# Altium PCB Pleiades_Frouf.PcbDoc (part 10 of 12)
Units mil, origin at the board's own origin, x right, y up, seen from the top; angles counter-clockwise.
Board outline 12244.09 x 4515.28 mil, 12 copper layers (TOP, GND1, IN1, GND2, POW1, GND3, POW2, GND4, GND5, IN2, GND6, BOT), stack 63.546 mil thick; 1442 components, 702 nets, 4419 pads, 1756 vias.
Unrouted connection lines stored in the file: 1088.
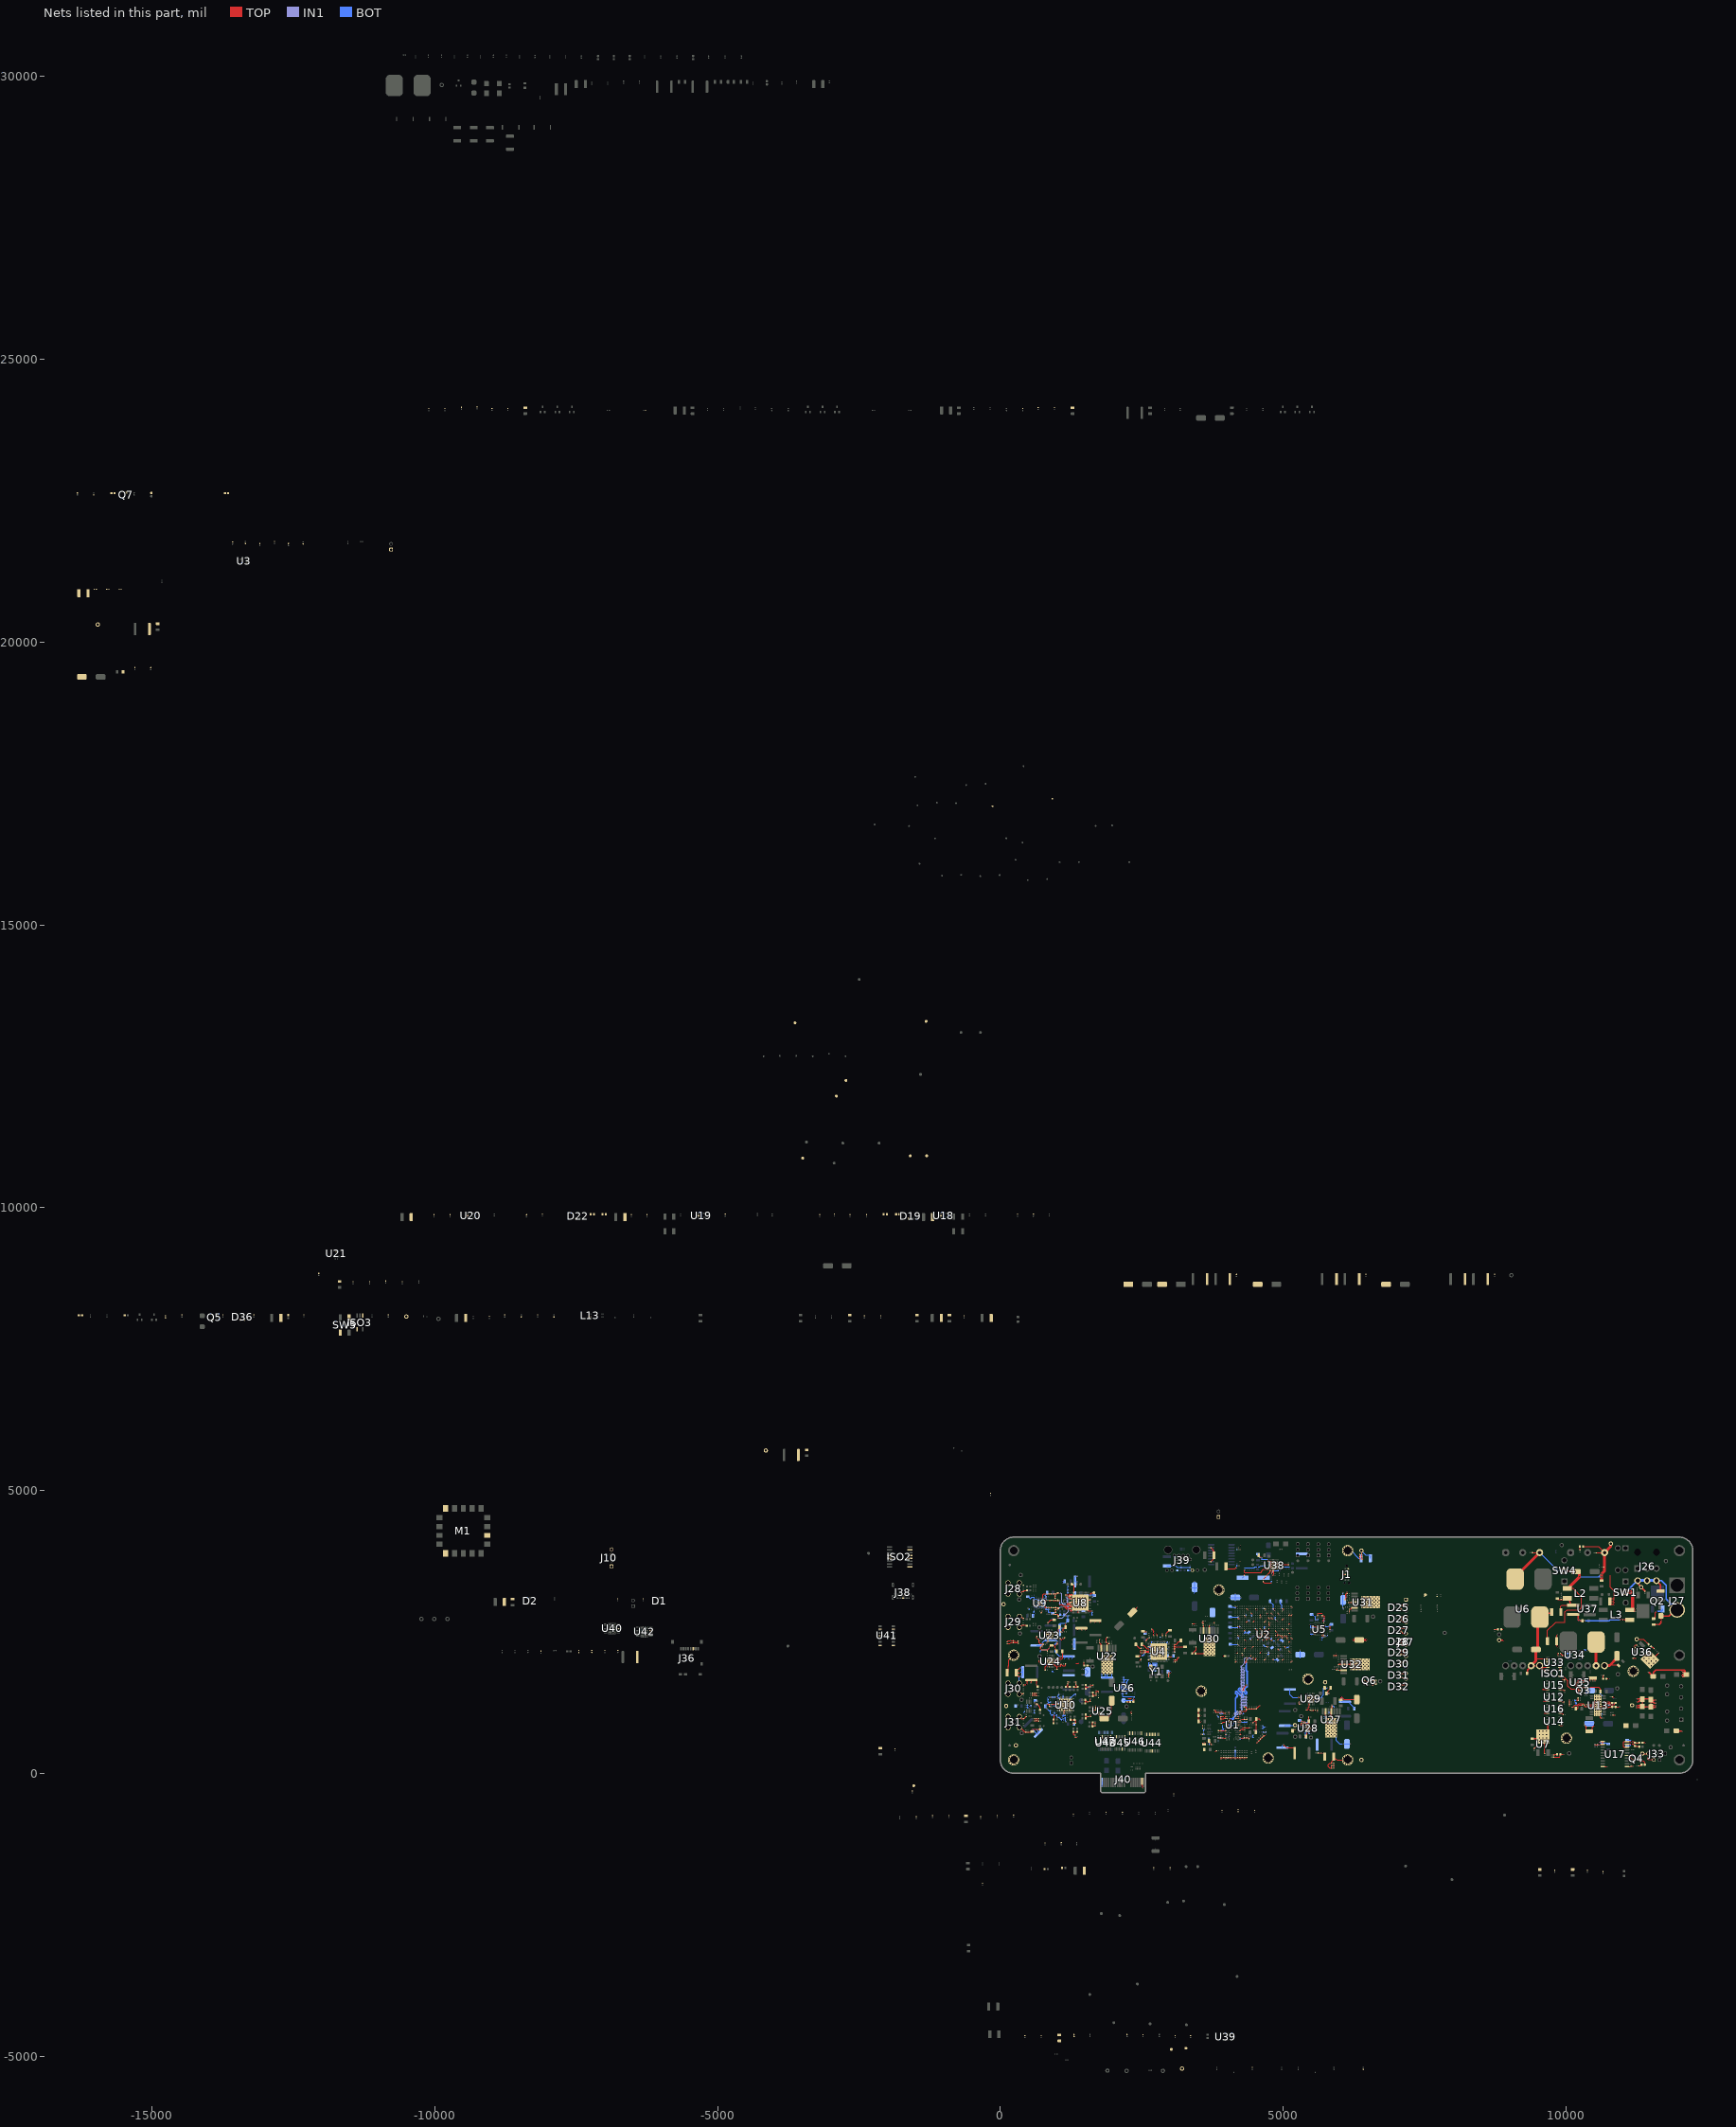
[diagram p20: the nets of this part, all layers, seen from the top]

## Via types
v1: diameter 12/18/18/18/18/18/18/18/18/18/18/12 (per signal layer), hole 6, TOP to BOT, 1113 vias
v2: diameter 20, hole 10, TOP to BOT, 363 vias
v3: diameter 19.68, hole 7.87, TOP to BOT, 110 vias
v4: diameter 25, hole 12, TOP to BOT, 67 vias
v5: diameter 40, hole 20, TOP to BOT, 48 vias
v6: diameter 22, hole 12, TOP to BOT, 27 vias
v7: diameter 12, hole 6, TOP to BOT, 19 vias
v8: diameter 19.68, hole 11.81, TOP to BOT, 9 vias

## Nets (pads, with @x,y where several pads share a name; then routed paths per layer and width w, separated by ;. In a path a pad name is that pad's centre, name@x,y a point inside that pad or via, vN(x,y) a via of type N, cw(c..) or ccw(c..) an arc to the next point about the centre after c; other vN are vias at no path point) (continued)
GND: (continued)
  BOT w10: v1(2487.5,2091.71) 2496.38,2082.83 R75.2@2516.44,2082.83 2520.82,2087.22 2522.71,2087.22 C188.2@2557.7,2122.2 ; C180.2@2559.62,2471.54 2569.35,2471.54 2591.29,2493.48 2591.29,2500.26 v1(2591.68,2500.64) ; C154.2@2645.52,1896.38 2645.52,1926.43 2656.38,1937.29 2670.66,1937.29 v1(2671.04,1937.68) 2671.43,1938.06 2686.36,1938.06 2695.48,1947.18 2759.66,1947.18 2767.57,1939.27 2767.57,1895.08 2756.21,1883.72 2744.54,1883.72 2733.18,1872.36 2733.18,1822.8 2734.02,1821.96 2717.06,1805 v1(2685.01,1805) ; C194.2@2653.29,2259.75 2653.29,2220.63 C195.2@2653.54,2220.63 2696.85,2220.63 v3(2714.57,2238.35) C177.2@2714.57,2294.19 ; C198.2@2653.54,2026.02 2675.47,2026.02 v3(2714.57,2065.12) 2714.57,2036.18 C161.2@2727.57,2023.18 2737.3,2023.18 2754.26,2040.14 2754.26,2049.87 2756.02,2051.63 2756.02,2063.26 v3(2757.87,2065.12) ; C197.2@2653.54,2122.2 2698.17,2122.2 2711.95,2108.43 v3(2714.57,2108.43) ; C196.2@2658.53,2182.13 2699.04,2182.13 2711.95,2195.04 v3(2714.57,2195.04) ; C194.2@2660,2260 2676.03,2276.03 C178.2@2676.03,2324.09 ; v3(2757.87,2238.35) 2757.87,2240.97 2771.65,2254.75 C176.2@2771.65,2294.19 ; v3(2801.18,2238.35) 2830.71,2267.87 C172.2@2830.71,2294.19 ; v3(2844.49,2238.35) 2870.08,2263.94 C179.2@2870.08,2294.19 ; v3(2887.8,2151.73) 2890.42,2151.73 2900.26,2141.89 C174.2@2945.1,2141.89 ; v3(2887.8,2195.04) 2890.42,2195.04 2896.47,2201.09 C173.2@2945.1,2201.09 ; v3(2887.8,2238.35) 2909.45,2260 ; C175.2@2909.45,2294.19 2909.45,2260 ; C199.2@2937.5,2010 2911.73,2035.77 2911.73,2041.18 v3(2887.8,2065.12) 2948.48,2065.12 C160.2@2959,2075.63 ; C185.2@2955.67,2320.04 2948.82,2313.19 C200.2@2948.82,2279.69 2929.13,2279.69 2909.45,2260 ; C155.2@2965,1796 3002.19,1796 v1(3012.19,1786) ; C164.2@3082.5,2142.24 3082.67,2142.41 3082.67,2171.32 v1(3082.85,2171.49) ; C120.2@4211.4,2386.16 4211.4,2413.93 4215.2,2417.73 v1(4215.2,2418.27) ; C106.2@4507.08,2558.01 v1(4535.08,2530) ; C367.2@10512.73,505.13 C369.2@10554.23,505.13 10582.99,505.13 10592.38,514.52 v1(10592.92,514.52) ; v1(10592.92,564.52) 10621.9,535.54 10736.5,535.54 C366.2@10750,522.04
  BOT w12: v3(1241.77,1294.8) 1241.77,1328.6 1312.23,1399.06 C423.2@1330.99,1399.06 ; v3(1324.57,3103.38) C274.2@1324.57,3179.77
  BOT w20: v1(565.9,776.97) 643.93,698.94 661.47,698.94 C424.2@672.79,710.26 677.6,715.07 677.6,732.61 v1(633.25,776.97) ; C390.2@641.73,2258 716.71,2258 729.12,2270.4 v1(729.12,2296.45) 778.7,2346.04 837.12,2346.04 C389.2@848.35,2357.26 ; v6(829.47,2396.81) 829.47,2376.14 C389.2@848.35,2357.26 ; v6(868.84,2396.81) 868.84,2376.14 C389.2@887.72,2357.26 ; C285.2@1048.4,2534.28 1048.4,2515.5 1060.81,2503.1 v1(1096.26,2503.1) ; C285.2@1048.4,2550.89 C285.2@1048.4,2606.85 ; C285.2@1048.4,2608.66 C285.2@1059.16,2619.42 ; C285.2@1060.07,2618.52 1060.07,2646.76 1063.58,2650.27 v1(1154.83,2650.27) ; R92.2@1060.13,2805.57 1060.49,2805.2 v1(1095.06,2805.2) 1129.63,2805.2 R91.2@1130,2804.83 1132.12,2804.83 1150.9,2786.05 v1(1160,2786.05) 1199.1,2786.05 1198.38,2785.33 1198.38,2707.45 C286.2@1192.94,2702.01 1192.94,2692.01 v1@1153.02,2652.08 ; C285.2@1067.28,2569.76 v1(1109.94,2569.76) ; v1(1148.84,2018.39) 1148.84,2054.24 C392.2@1161.24,2066.65 ; v1(1214.4,2016.35) 1214.16,2016.59 C392.2@1214.16,2066.65 ; v1(1274.34,2283.19) 1301.57,2283.19 C388.2@1304.96,2279.8 ; v1(1274.34,2357.26) C388.2@1291.19,2357.26 ; v1(1277.59,2208.37) C388.2@1291.19,2208.37 ; v1(1283.23,2018.39) 1283.23,2054.24 1270.82,2066.65 C392.2@1214.16,2066.65 ; v1(1446.46,1742.18) v1(1478.64,1742.18) 1506.48,1742.18 1544.58,1780.28 C415.2@1544.58,1790 1544.58,1803.91 1506.48,1842.01 v1(1480.6,1842.01) v1(1446.46,1842.01) ; v2(1797.83,1772.18) 1797.83,1704.89 1810.24,1692.49 C417.2@1870.24,1692.49 ; v2(1857.83,1772.18) 1857.83,1704.89 C417.2@1870.24,1692.49 ; v2(1917.83,1772.18) 1887.83,1742.18 C417.2@1887.83,1692.49 ; v2(1977.83,1772.18) 1977.83,1704.89 1965.43,1692.49 C417.2@1887.83,1692.49 ; v1(4054.79,3108.78) 4155.26,3108.78 C127.2@4156.19,3107.85 4155.19,3106.84 v1(4155.19,3045.41) ; v1(4156.19,3174.81) 4156.19,3108.78 v1(4257.69,3108.78) ; v2(5940.46,654.48) 5940.46,580.54 6001.88,519.12 v4(6062.52,519.12) C436.2@6128.46,519.12 v4(6194.41,519.12) ; v1(6020.46,1355.25) 6031.07,1344.64 6031.07,1281.46 6049.94,1262.59 C433.2@6093.46,1262.59 6167.84,1262.59 6186.71,1243.72 6186.71,1227.79 6259.16,1155.35 C414.2@6259.16,1145.35 ; v4(6055.13,3200.59) 6056.09,3199.63 6056.09,3169.34 6061.73,3163.69 v4(6061.73,3162.34) C102.2@6061.73,3063.22 v4(6061.73,2933.14) 6061.73,2931.78 6064.24,2929.28 6064.24,2895.26 v4(6065.2,2894.3) ; TP1.1@6385.83,3937.01 6461.15,3861.69 6517.49,3861.69 6541.69,3837.48 C2.2@6541.69,3801.56 ; C389.2@848.35,2357.26 C389.2@887.72,2357.26 ; C389.2@887.72,2357.26 C389.2@893.31,2357.26 976.81,2357.26 1008.31,2325.76 v1(1008.31,2324.26) 970.61,2286.57 v1(970.61,2253.26) v1(970.61,2200.9) 970.61,2142.87 1046.84,2066.65 v1(1079.99,2066.65) C392.2@1161.24,2066.65 ; C392.2@1161.24,2066.65 C392.2@1214.16,2066.65 ; C417.2@1870.24,1692.49 C417.2@1887.83,1692.49
  other v1: 1768.66,1026.21 312.76,1165.37 312.76,1208.19 2065,1506.45 5303.46,2182.66 279.36,2335.19 176.35,2346.4 651.19,2381.96 4613.62,2414.61 1099.3,2900.11 1092.39,2922.61 4218.82,3666.26 4238.07,3746.52 4247.35,3955.82 4223.29,3957.97 4212.29,3987.86 4249.5,4018.16
  other v2: 4736.1,188.9 4696.1,199.62 4776.1,199.62 4666.82,228.9 4805.38,228.9 4656.1,268.9 4816.1,268.9 4667.07,309.01 4805.38,308.9 4696.1,338.18 4776.1,338.18 4736.1,348.9 5760.46,654.48 5820.46,654.48 5880.46,654.48 5790.46,684.48 5850.46,684.48 5910.46,684.48 5760.46,714.48 5820.46,714.48 5880.46,714.48 5940.46,714.48 5790.46,744.48 5850.46,744.48 5910.46,744.48 5760.46,774.48 5820.46,774.48 5880.46,774.48 5940.46,774.48 5790.46,804.48 5850.46,804.48 5910.46,804.48 5760.46,834.48 5820.46,834.48 5880.46,834.48 5940.46,834.48 5790.46,864.48 5850.46,864.48 5910.46,864.48 5760.46,894.48 5820.46,894.48 5880.46,894.48 5940.46,894.48 5790.46,924.48 5820.46,954.48 3555,1370 3515,1380.72 3595,1380.72 3485.72,1410 3624.28,1410 3475,1450 3635,1450 3485.97,1490.11 3624.28,1490 3515,1519.28 3595,1519.28 3555,1530 5439.8,1585.2 5399.8,1595.91 5479.8,1595.91 5370.52,1625.2 5509.09,1625.2 5359.8,1665.2 5519.8,1665.2 5370.77,1705.31 5509.09,1705.2 5399.8,1734.48 5479.8,1734.48 5439.8,1745.2 1827.83,1802.18 1887.83,1802.18 1947.83,1802.18 1797.83,1832.18 1857.83,1832.18 1917.83,1832.18 1977.83,1832.18 6209.03,1832.19 6269.03,1832.19 6329.03,1832.19 6389.03,1832.19 6449.03,1832.19 6509.03,1832.19 1827.83,1862.18 1887.83,1862.18 1947.83,1862.18 6239.03,1862.19 6299.03,1862.19 6359.03,1862.19 6419.03,1862.19 6479.03,1862.19 1797.83,1892.18 1857.83,1892.18 1917.83,1892.18 1977.83,1892.18 6209.03,1892.19 6269.03,1892.19 6329.03,1892.19 6389.03,1892.19 6449.03,1892.19 6509.03,1892.19 1827.83,1922.18 1887.83,1922.18 1947.83,1922.18 6419.03,1922.19 6479.03,1922.19 1797.83,1952.18 1857.83,1952.18 1917.83,1952.18 1977.83,1952.18 6209.03,1952.19 6269.03,1952.19 6329.03,1952.19 6389.03,1952.19 6449.03,1952.19 6509.03,1952.19 1827.83,1982.18 1887.83,1982.18 1947.83,1982.18 6239.03,1982.19 6299.03,1982.19 6359.03,1982.19 6419.03,1982.19 6479.03,1982.19 1797.83,2012.18 1857.83,2012.18 1917.83,2012.18 1977.83,2012.18 6209.03,2012.19 6269.03,2012.19 6329.03,2012.19 6389.03,2012.19 6449.03,2012.19 6509.03,2012.19 1827.83,2042.18 1887.83,2042.18 1947.83,2042.18 1797.83,2072.18 1857.83,2072.18 1917.83,2072.18 1977.83,2072.18 3605,2086.93 3665,2086.93 3725,2086.93 3785,2086.93 3635,2116.93 3695,2116.93 3755,2116.93 3605,2146.93 3665,2146.93 3725,2146.93 3785,2146.93 3635,2176.93 3695,2176.93 3755,2176.93 3605,2206.93 3665,2206.93 3725,2206.93 3785,2206.93 3635,2236.93 3755,2236.93 3605,2266.93 3665,2266.93 3725,2266.93 3785,2266.93 3635,2296.93 3695,2296.93 3755,2296.93 3605,2326.93 3665,2326.93 3725,2326.93 3785,2326.93 3635,2356.93 3695,2356.93 3755,2356.93 3605,2386.93 3665,2386.93 3725,2386.93 3785,2386.93 6400.69,2935.58 6460.69,2935.58 6520.69,2935.58 6580.69,2935.58 6640.69,2935.58 6700.69,2935.58 6430.69,2965.58 6490.69,2965.58 6550.69,2965.58 6610.69,2965.58 6670.69,2965.58 6400.69,2995.58 6460.69,2995.58 6520.69,2995.58 6580.69,2995.58 6640.69,2995.58 6700.69,2995.58 6430.69,3025.58 6490.69,3025.58 6550.69,3025.58 6610.69,3025.58 6670.69,3025.58 6400.69,3055.58 6460.69,3055.58 6520.69,3055.58 6580.69,3055.58 6640.69,3055.58 6700.69,3055.58 6430.69,3085.58 6490.69,3085.58 6550.69,3085.58 6610.69,3085.58 6670.69,3085.58 6400.69,3115.58 6460.69,3115.58 6520.69,3115.58 6580.69,3115.58 6640.69,3115.58 6700.69,3115.58 3865,3160 3825,3170.72 3905,3170.72 3795.72,3200 3934.28,3200 3785,3240 3945,3240 3795.97,3280.11 3934.28,3280 3825,3309.28 3905,3309.28 3865,3320
  other v3: 5412.36,797.55 1068.54,1121.57 1155.16,1121.57 1241.77,1121.57 1111.85,1164.88 1155.16,1164.88 1198.46,1164.88 1241.77,1164.88 1068.54,1208.19 1111.85,1208.19 1198.46,1208.19 1241.77,1208.19 1068.54,1251.5 1111.85,1251.5 1155.16,1251.5 1198.46,1251.5 1241.77,1251.5 1068.54,1294.8 1155.16,1294.8 2801.18,2065.12 2844.49,2065.12 2757.87,2108.43 2801.18,2108.43 2844.49,2108.43 2887.8,2108.43 2714.57,2151.73 2757.87,2151.73 2801.18,2151.73 2844.49,2151.73 2757.87,2195.04 2801.18,2195.04 2844.49,2195.04 1324.57,2930.15 1411.18,2930.15 1454.49,2930.15 1324.57,2973.45 1367.87,2973.45 1411.18,2973.45 1454.49,2973.45 1497.8,2973.45 681.38,2980.13 724.68,2980.13 1324.57,3016.76 1367.87,3016.76 1454.49,3016.76 681.38,3023.44 724.68,3023.44 1367.87,3060.07 1411.18,3060.07 1454.49,3060.07 1367.87,3103.38 1411.18,3103.38 1497.8,3103.38
  other v5: 9655,565.13 9655,625.13 9535,685.13 9595,685.13 9655,685.13 9535,745.13 9595,745.13
  other v6: 5450.27,1276.72 5489.64,1276.72 5450.27,1316.09 5529.01,1316.09 5489.64,1355.46 887.68,1939.65 848.31,1979.02 927.05,1979.02 848.31,2018.39 887.68,2018.39 908.21,2396.81 829.47,2436.18 868.84,2436.18 908.21,2436.18 829.47,2475.55 868.84,2475.55 908.21,2475.55
  other v8: 2152.14,1467.08 2191.52,1467.08 2230.89,1467.08 2152.14,1545.82 2191.52,1545.82
GND_CAN: C361.2 C362.2 C363.2 FB4.2 J33.4 Q4.2 R167.2 TP87.1 U17.11 U17.15 | length 514
  TOP w10: U17.11@11080.92,114.52 11138.36,114.52 R167.2@11150.48,126.64 11152.25,124.87 v1(11187.21,124.87) ; v1(11147.92,305.85) 11147.92,271.86 11169.51,250.26 11180.44,250.26 11208.78,221.92 Q4.2@11210.75,221.92 ; FB4.2@11347.01,550.32 11352.33,545 v1(11406.47,545) ; TP87.1@11352.68,347.57 J33.4@11454.16,347.57
  BOT w10: C363.2@11069.92,316.3 C362.2@11112.92,316.3 11137.46,316.3 v1(11147.92,305.85) 11150.34,305.85 11156.55,312.06 11179.42,312.06 C361.2@11182.92,315.56
  other v1: 11169.13,250.64
GND_FILTER_CM: C225.2 L3.4 L4.2 TP42.1 | length 1286.3
  TOP w25: L4.2@10127.01,2809.52 10200.14,2809.52 10215.14,2794.52 v1(10215.14,2721.4) v1(10241.44,2695.09) C225.2@10292.25,2695.09 C225.2@10292.25,2695.09 v1(10331.79,2695.13) ; v4(10965.02,2711.42) v4(10994.32,2711.42) v4(11022.5,2711.42) L3.4@11131.22,2711.42
  BOT w25: v1(10215.14,2721.4) v1(10241.44,2695.09) v1(10331.79,2695.13) v1(10331.79,2695.13) v1(10331.79,2695.13) 10765.43,2695.09 10781.75,2711.42 v4(10965.02,2711.42) v4(10994.32,2711.42) v4(11022.5,2711.42)
GND_FILTER_DM: C226.2 C228.2 L2.3 L4.1 R84.2 TP43.1 | length 683.2
  TOP w12: C226.2@9840,3092 9856,3076 9872.08,3076 9873.03,3075.05 R84.2@9917.45,3075.05 10004.37,3075.05 L2.3@10021.87,3092.55 ; C228.2@9911,2850 9911,2951.67 9930.88,2971.55 10092.64,2971.55 10105.33,2984.24 L4.1@10094.61,2994.96
  TOP w25: L2.3@10021.87,3092.55 10043.34,3092.55 10070.21,3065.68 10070.21,3030.33 10073.43,3027.1 10073.43,2988.52 10088.43,2973.52 L4.1@10091.66,2973.52
GND_IN: C221.2 C222.2 C223.2 C224.2 C487.1 D4.2 L2.4 R88.2 R274.2 SW4.2 TP44.1 U6.3 U37.3 | length 5292.4
  TOP w12: C221.2@9102.87,3433.8 C221.2@9102.87,3468.67 ; R88.2@9405,3901.1 9535.31,3901.1 U6.3@9535.87,3901.1 ; C487.1@9674.87,2341.4 9674.87,2523.72 9823.15,2672 9979.98,2672 9987.01,2679.03 9987.01,2855.14 10020.89,2889.02 10234.93,2889.02 10279.45,2933.54 10279.45,3117.85 10127.58,3269.72 10061.24,3269.72 L2.4@10021.87,3269.72 ; D4.2@10303.54,4009.13 10576.06,4009.13 U37.3@10684.08,3901.1 10682.53,3899.55 10536.99,3899.55 R274.2@10535.44,3898
  TOP w25: SW4.2@9971.76,3578.7 9978.77,3571.7 10207.82,3571.7 C222.2@10214.82,3564.7
  TOP w50: C221.2@9102.87,3468.67 U6.3@9535.31,3901.1 ; L2.4@10061.24,3269.72 10075.61,3284.09 10075.61,3307.27 v1(10241.44,3473.09) 10241.44,3522.91 C222.2@10207.23,3557.11 ; C223.2@10630.08,3409.33 v1(10630.08,3473.09) v1(10630.08,3522.91) 10684.08,3576.9 U37.3@10684.08,3901.1 10792.11,4009.13 10792.11,4058.01 TP44.1@10795.72,4061.63
  BOT w12: U6.3@9535.87,3901.1 9858.26,3578.7 SW4.2@9971.76,3578.7 SW4.2@9972.56,3578.7
  BOT w20: v1(10241.44,3473.09) 10580.27,3473.09 ; v1(10630.08,3473.09) 10580.27,3473.09 ; v1(10630.08,3522.91) 10580.27,3473.09
GND_MOT: C342.2 C343.2 C344.2 C347.2 C348.2 C349.2 C350.2 C351.2 C352.2 C353.2 C354.2 C355.2 C356.2 C357.2 C358.2 C359.2 C360.2 C477.2 C478.2 C479.2 C481.2 C482.2 C483.2 C484.2 C485.2 C486.2 C487.2 D10.2 D11.2 D12.2 D13.2 D14.1 D15.1 D16.1 D17.1 D33.2 D34.2 HEAT3.1 HEAT3.2 ISO1.2 Q3.2 R152.2 R153.2 R154.2 R155.2 R156.2 R160.2 R161.2 R162.2 R163.2 R267.2 R268.2 TP83.1 TP123.1 U12.5 U13.7 U13.21 U13.PAD U14.5 U15.5 U16.5 U33.9 U33.15 U34.3 U35.2 U36.3 U37.4 U37.5 | length 8192.9
  TOP w8: v1(9938.47,1658.85) 9963.72,1658.85 9973.01,1649.56 C347.2@9973.55,1649.56 ; v1@10063.92,1190.05 R160.2@10063.92,1222.71 C350.2@10063.92,1260.02 ; C350.2@10064.03,1260.12 10064.03,1293.84 v1(10064.14,1293.95) 10064.83,1294.64 v1@10064.83,1293.95 ; v1(10188.6,1290.41) 10188.64,1290.45 R161.2@10220.18,1290.45 10218.84,1291.79 10218.84,1329.47 C351.2@10217.5,1330.81 ; C358.2@10195.18,1141.01 10203.43,1141.01 v1(10220,1157.58) 10220,1194.12 10232.6,1206.71 C343.2@10287.68,1206.71 ; Q3.2@10346.03,1500.38 10372.61,1526.96 v1@10415,1526.96 ; R152.2@10364.03,1212.56 10364.59,1213.12 10404.07,1213.12 v1(10404.63,1213.68) U13.7@10456.79,1213.68 10554.23,1213.68 v3(10567.02,1200.89) ; v1(10415,1518.19) v1@10415,1526.96 ; v1@10428.23,1630.22 v1(10428.99,1629.45) 10428.99,1658.22 10455.52,1684.75 R153.2@10477.36,1684.75 ; v1(10477.36,1629.45) R153.2@10477.36,1684.75 ; v1(10517.43,1629.45) 10517.43,1658.22 10490.91,1684.75 R153.2@10477.36,1684.75 ; v3(10610.33,1070.96) v3(10567.02,1114.27) ; C355.2@10610.92,1445.97 10610.92,1489.78 10573.75,1526.96 v1@10415,1526.96 ; C356.2@10633.42,977.55 10615.01,977.55 10610.33,982.23 v3(10610.33,1027.66) v3(10567.02,1070.96) v3(10567.02,1114.27) ; v1(10730.14,1188.09) U13.21@10677.26,1188.09 10579.82,1188.09 v3(10567.02,1200.89) ; R154.2@10820.74,1350.89 v1(10856.93,1350.89) ; R155.2@10830.14,1028.54 10872.24,1028.54 v1@10873.12,1027.66 ; C348.2@10877.74,1174.03 10945.42,1174.03 v1(10947.9,1171.56) ; v3(10567.02,1114.27) v3(10567.02,1157.58) v3(10567.02,1200.89)
  TOP w10: v1(9850,2446.69) 9836.87,2433.56 C487.2@9836.87,2335 9836.87,2255.82 v1(9856,2236.69) ; v1(9866.5,2079.37) 9866.5,2079.91 9867.95,2081.36 R267.2@9867.95,2122.47 ; U33.9@9894.37,1874.64 9894.37,1822.5 9901.87,1815 ISO1.2@9905,1815 v1(9905,1779.68) ; U33.15@9894.37,2024.64 v1(9952.19,2024.64) ; U12.5@9895.07,1274.41 9917.45,1274.41 9929.36,1262.5 v1(9938.47,1262.5) C349.2@9966.19,1262.5 ; U15.5@9895.07,1481.99 v1(9945.37,1481.99) 9959.26,1468.1 C342.2@9980.71,1468.1 ; U16.5@9895.61,1064.09 9948.96,1064.09 9951.65,1066.78 v1(9952.19,1066.78) C344.2@9952.19,1034.55 ; U14.5@9896.3,850 v1(9942.08,850) ; R268.2@10182.01,1594.87 10182.01,1529.91 10193.73,1518.19 10327.46,1518.19 10333.31,1512.33 10333.31,1511.13 10344.06,1500.38 Q3.2@10346.03,1500.38 ; C477.2@10301.87,1607.92 10323.41,1607.92 v1(10334.56,1619.06) ; D33.2@10716.92,1671.64 10761.57,1671.64 v1(10761.9,1671.98) ; 10772.19,1905.09 10780.63,1913.53 10924.92,1913.53 C483.2@10931.99,1906.46 ; C486.2@11185.08,2035.14 11241.73,2035.14 v1(11254.68,2022.19) ; C479.2@11230.29,2220.74 11208.24,2242.79 11208.24,2244.9 v1(11207.86,2245.28) 11228.22,2265.64 C484.2@11256.81,2265.64 ; TP123.1@11251.55,2369.66 11256.06,2365.15 11374.55,2365.15 v1(11419.7,2320) 11423.16,2320 D34.2@11463.16,2280 ; v5(11550.51,2027.76) 11550.51,2035.3 C485.2@11641.21,2126
  TOP w20: v1(10322.68,857.98) 10357.56,823.1 10357.56,768.5 10384.08,741.98 R156.2@10411.33,741.98 10438.57,741.98 10465.1,768.5 10465.1,812.13 v1(10506,853.03)
  TOP w25: v4(11250.32,1164.98) 11335.82,1164.98 D16.1@11352.63,1181.78 ; v4(11250.52,1200.89) 11333.52,1200.89 D16.1@11352.63,1181.78 ; v4(11255.33,1264.86) 11285.21,1264.86 11298.18,1277.84 11349.44,1277.84 D11.2@11352.68,1274.6 ; v4(11255.33,1310.89) D11.2@11352.68,1310.89 ; D16.1@11362.39,1174.03 D12.2@11502.68,1174.03 ; v4(11452.68,1779.05) 11471.25,1779.05 11537.84,1712.45 D10.2@11543.84,1712.45 11543.84,1779.05 11592,1827.21 12089.48,1827.21 12106.25,1810.44 D14.1@12106.25,1768.04 ; v4(11588.66,1241.63) 11561.94,1241.63 11547.18,1256.39 11541.18,1256.39 D15.1@11502.68,1294.89 ; v4(11588.66,1287.5) 11516.07,1287.5 D15.1@11502.68,1300.89 ; v4(11588.68,1200.89) 11529.53,1200.89 D12.2@11502.68,1174.03 ; v4(11589.16,1162.5) 11514.22,1162.5 D12.2@11502.68,1174.03 ; D13.2@11952.68,745.89 v1(12057.87,745.89) ; v4(12046.98,1705.35) 12083.46,1705.35 D14.1@12123.2,1745.09 ; v4(12046.98,1749.34) 12051.22,1745.09 D14.1@12123.2,1745.09 ; v4(12046.98,1787.7) 12080.59,1787.7 12100.25,1768.04 D14.1@12106.25,1768.04 ; D16.1@11352.63,1181.78 11352.68,1181.84 v1(11352.68,1246.36) D11.2@11352.68,1274.6 ; D11.2@11352.68,1274.6 D11.2@11352.68,1310.89 ; D11.2@11352.68,1310.89 11492.68,1310.89 D15.1@11502.68,1300.89 ; D12.2@11502.68,1174.03 v1(11502.68,1237.46) D15.1@11502.68,1294.89 ; D15.1@11502.68,1294.89 D15.1@11502.68,1300.89 ; D14.1@12106.25,1768.04 D14.1@12129.2,1745.09 D14.1@12123.2,1745.09
  TOP w50: U37.5@10534.08,1901.1 C481.2@10534.08,2320 ; U37.4@10684.08,1901.1 10688.07,1905.09 10772.19,1905.09 ; 10780.63,1913.53 10904.08,2036.98 C482.2@10904.08,2074.39
  BOT w8: v1(10154.68,1262.52) 10155.45,1263.28 10155.45,1288.36 R162.2@10157.5,1290.41 v1(10188.6,1290.41) ; v1@10160.45,1261.75 C352.2@10183.49,1238.71 10184.25,1237.95 10184.25,1201.65 R163.2@10185.01,1200.89 ; v1(10322.68,857.98) 10499.97,857.98 10504.91,853.03 v1(10506,853.03) ; v1(10322.68,895) v1(10506,895) ; v1(10415,1518.19) 10415,1479.17 C354.2@10431.19,1462.98 ; C359.2@10496.78,1179.06 C359.2@10496.91,1178.93 ; v3(10523.71,1114.27) 10521.48,1116.51 10517.43,1116.51 C360.2@10497.03,1136.91 10496.91,1137.04 C359.2@10496.91,1178.93 ; v3(10523.71,1157.58) 10521.48,1159.81 10516.02,1159.81 C359.2@10496.91,1178.93 ; 10562.83,1317.05 10567.02,1321.24 v3(10567.02,1330.81) ; 10600.2,1445.97 10612.7,1433.47 10612.7,1396.82 C357.2@10633.42,1376.09 10632.43,1375.1 10611.32,1375.1 v3(10610.33,1374.11) ; v3(10610.33,1027.66) 10612.56,1025.42 10617.99,1025.42 10633.38,1010.03 10633.92,1010.03 ; v3(10610.33,1070.96) 10612.42,1070.96 10633.38,1050 10633.92,1050